# KiCad board Li-ion charger_panel.kicad_pcb (continued)
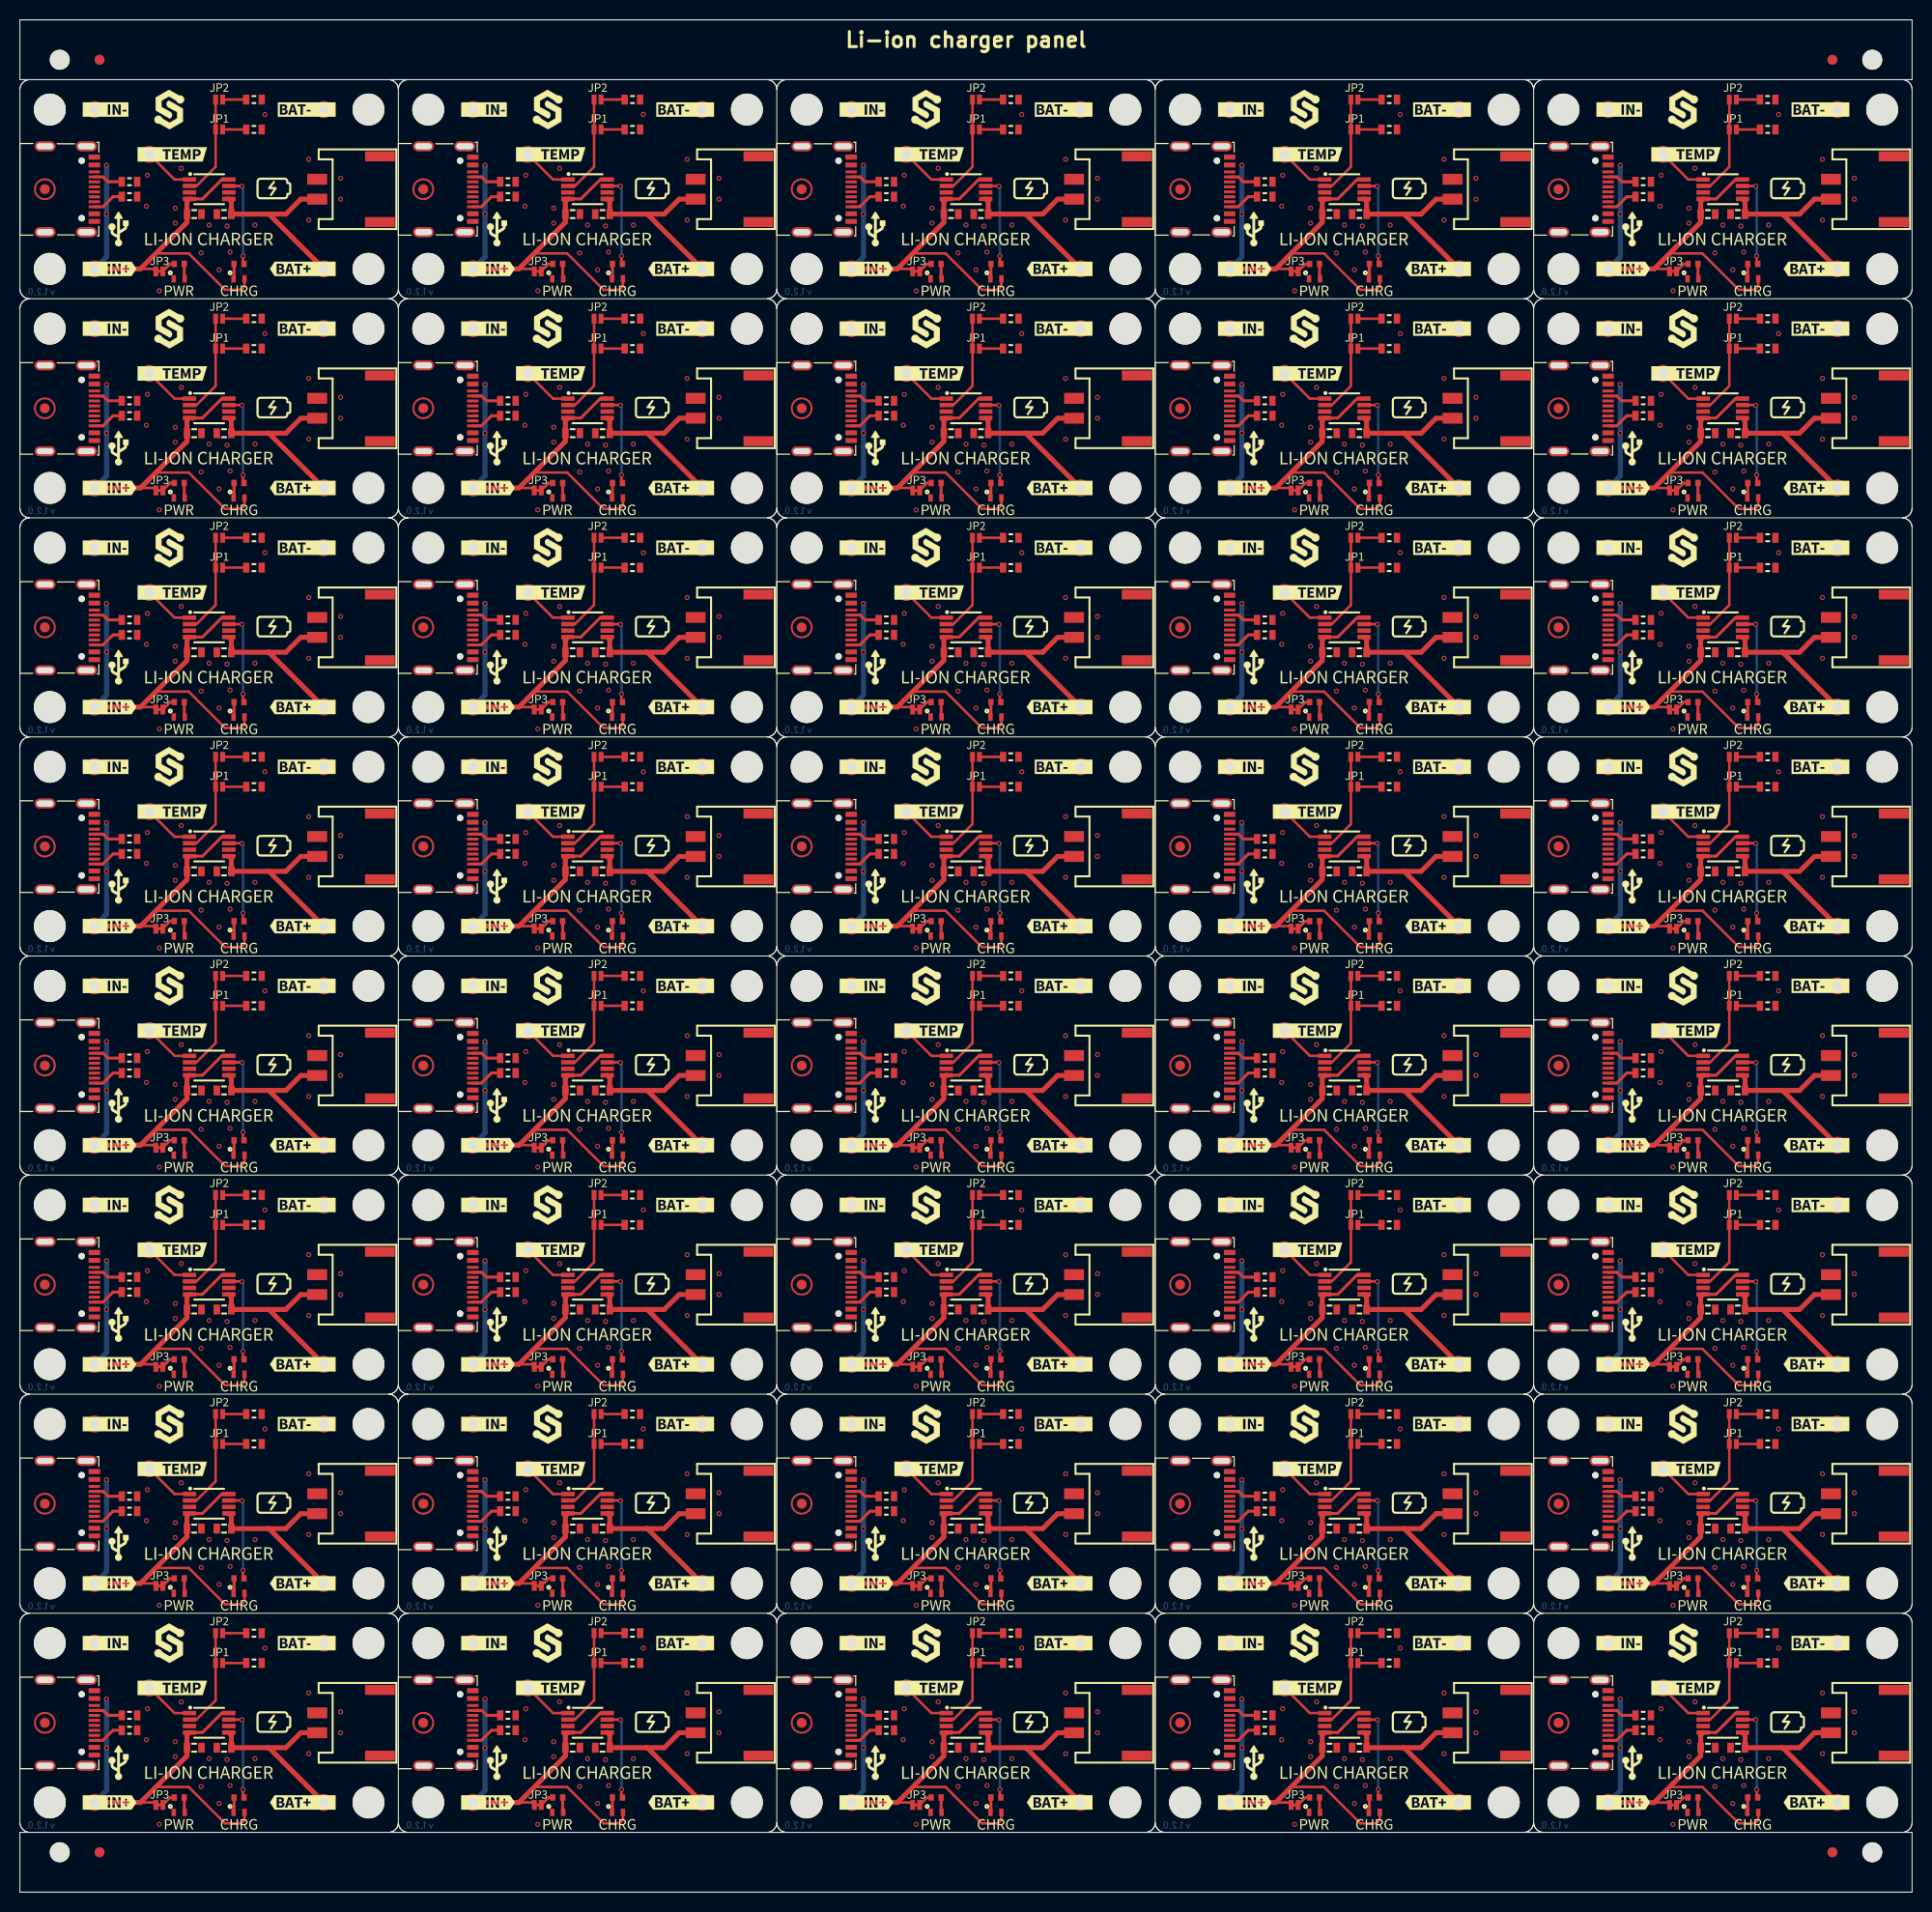
[diagram p0: board, top side]
## Placement (name value [footprint] x y rotation side) (continued)
R2#40  5.1k  [0603R]  163 149.75 0 top
R3  4.7k  [0603R]  23.5 111 180 top
R3#2  4.7k  [0603R]  137.5 67 180 top
R3#3  4.7k  [0603R]  61.5 111 180 top
R3#4  4.7k  [0603R]  137.5 89 180 top
R3#5  4.7k  [0603R]  99.5 111 180 top
R3#6  4.7k  [0603R]  61.5 133 180 top
R3#7  4.7k  [0603R]  175.5 67 180 top
R3#8  4.7k  [0603R]  99.5 67 180 top
R3#9  4.7k  [0603R]  175.5 45 180 top
R3#10  4.7k  [0603R]  23.5 67 180 top
R3#11  4.7k  [0603R]  23.5 23 180 top
R3#12  4.7k  [0603R]  137.5 155 180 top
R3#13  4.7k  [0603R]  175.5 23 180 top
R3#14  4.7k  [0603R]  99.5 133 180 top
R3#15  4.7k  [0603R]  137.5 133 180 top
R3#16  4.7k  [0603R]  99.5 23 180 top
R3#17  4.7k  [0603R]  61.5 67 180 top
R3#18  4.7k  [0603R]  23.5 177 180 top
R3#19  4.7k  [0603R]  23.5 133 180 top
R3#20  4.7k  [0603R]  99.5 45 180 top
R3#21  4.7k  [0603R]  23.5 155 180 top
R3#22  4.7k  [0603R]  61.5 177 180 top
R3#23  4.7k  [0603R]  61.5 89 180 top
R3#24  4.7k  [0603R]  61.5 155 180 top
R3#25  4.7k  [0603R]  175.5 155 180 top
R3#26  4.7k  [0603R]  61.5 23 180 top
R3#27  4.7k  [0603R]  137.5 111 180 top
R3#28  4.7k  [0603R]  99.5 89 180 top
R3#29  4.7k  [0603R]  175.5 111 180 top
R3#30  4.7k  [0603R]  99.5 155 180 top
R3#31  4.7k  [0603R]  99.5 177 180 top
R3#32  4.7k  [0603R]  23.5 89 180 top
R3#33  4.7k  [0603R]  175.5 89 180 top
R3#34  4.7k  [0603R]  175.5 133 180 top
R3#35  4.7k  [0603R]  137.5 45 180 top
R3#36  4.7k  [0603R]  23.5 45 180 top
R3#37  4.7k  [0603R]  137.5 177 180 top
R3#38  4.7k  [0603R]  175.5 177 180 top
R3#39  4.7k  [0603R]  61.5 45 180 top
R3#40  4.7k  [0603R]  137.5 23 180 top
R4  2k49  [0603R]  175.5 48 180 top
R4#2  2k49  [0603R]  137.5 70 180 top
R4#3  2k49  [0603R]  61.5 158 180 top
R4#4  2k49  [0603R]  99.5 180 180 top
R4#5  2k49  [0603R]  23.5 158 180 top
R4#6  2k49  [0603R]  137.5 114 180 top
R4#7  2k49  [0603R]  175.5 180 180 top
R4#8  2k49  [0603R]  23.5 180 180 top
R4#9  2k49  [0603R]  175.5 70 180 top
R4#10  2k49  [0603R]  175.5 136 180 top
R4#11  2k49  [0603R]  23.5 136 180 top
R4#12  2k49  [0603R]  175.5 92 180 top
R4#13  2k49  [0603R]  61.5 26 180 top
R4#14  2k49  [0603R]  61.5 136 180 top
R4#15  2k49  [0603R]  61.5 92 180 top
R4#16  2k49  [0603R]  137.5 48 180 top
R4#17  2k49  [0603R]  23.5 92 180 top
R4#18  2k49  [0603R]  137.5 26 180 top
R4#19  2k49  [0603R]  137.5 180 180 top
R4#20  2k49  [0603R]  137.5 92 180 top
R4#21  2k49  [0603R]  175.5 114 180 top
R4#22  2k49  [0603R]  137.5 136 180 top
R4#23  2k49  [0603R]  99.5 26 180 top
R4#24  2k49  [0603R]  61.5 70 180 top
R4#25  2k49  [0603R]  99.5 48 180 top
R4#26  2k49  [0603R]  23.5 70 180 top
R4#27  2k49  [0603R]  23.5 48 180 top
R4#28  2k49  [0603R]  61.5 48 180 top
R4#29  2k49  [0603R]  137.5 158 180 top
R4#30  2k49  [0603R]  175.5 158 180 top
R4#31  2k49  [0603R]  23.5 26 180 top
R4#32  2k49  [0603R]  99.5 158 180 top
R4#33  2k49  [0603R]  61.5 180 180 top
R4#34  2k49  [0603R]  23.5 114 180 top
R4#35  2k49  [0603R]  99.5 114 180 top
R4#36  2k49  [0603R]  175.5 26 180 top
R4#37  2k49  [0603R]  61.5 114 180 top
R4#38  2k49  [0603R]  99.5 136 180 top
R4#39  2k49  [0603R]  99.5 92 180 top
R4#40  2k49  [0603R]  99.5 70 180 top
R5  2k2  [0402R]  22 31.5 180 top
R5#2  2k2  [0402R]  60 97.5 180 top
R5#3  2k2  [0402R]  22 53.5 180 top
R5#4  2k2  [0402R]  136 141.5 180 top
R5#5  2k2  [0402R]  174 97.5 180 top
R5#6  2k2  [0402R]  136 119.5 180 top
R5#7  2k2  [0402R]  98 163.5 180 top
R5#8  2k2  [0402R]  174 53.5 180 top
R5#9  2k2  [0402R]  22 119.5 180 top
R5#10  2k2  [0402R]  174 9.5 180 top
R5#11  2k2  [0402R]  98 119.5 180 top
R5#12  2k2  [0402R]  60 141.5 180 top
R5#13  2k2  [0402R]  60 163.5 180 top
R5#14  2k2  [0402R]  60 53.5 180 top
R5#15  2k2  [0402R]  22 75.5 180 top
R5#16  2k2  [0402R]  174 75.5 180 top
R5#17  2k2  [0402R]  98 53.5 180 top
R5#18  2k2  [0402R]  60 119.5 180 top
R5#19  2k2  [0402R]  136 163.5 180 top
R5#20  2k2  [0402R]  174 141.5 180 top
R5#21  2k2  [0402R]  136 75.5 180 top
R5#22  2k2  [0402R]  98 97.5 180 top
R5#23  2k2  [0402R]  98 9.5 180 top
R5#24  2k2  [0402R]  98 75.5 180 top
R5#25  2k2  [0402R]  60 9.5 180 top
R5#26  2k2  [0402R]  22 9.5 180 top
R5#27  2k2  [0402R]  98 31.5 180 top
R5#28  2k2  [0402R]  60 31.5 180 top
R5#29  2k2  [0402R]  22 97.5 180 top
R5#30  2k2  [0402R]  98 141.5 180 top
R5#31  2k2  [0402R]  136 97.5 180 top
R5#32  2k2  [0402R]  136 53.5 180 top
R5#33  2k2  [0402R]  136 31.5 180 top
R5#34  2k2  [0402R]  60 75.5 180 top
R5#35  2k2  [0402R]  174 31.5 180 top
R5#36  2k2  [0402R]  174 163.5 180 top
R5#37  2k2  [0402R]  174 119.5 180 top
R5#38  2k2  [0402R]  136 9.5 180 top
R5#39  2k2  [0402R]  22 141.5 180 top
R5#40  2k2  [0402R]  22 163.5 180 top
R6  2k2  [0402R]  92 141.5 0 top
R6#2  2k2  [0402R]  16 75.5 0 top
R6#3  2k2  [0402R]  168 163.5 0 top
R6#4  2k2  [0402R]  16 163.5 0 top
R6#5  2k2  [0402R]  16 119.5 0 top
R6#6  2k2  [0402R]  54 75.5 0 top
R6#7  2k2  [0402R]  16 31.5 0 top
R6#8  2k2  [0402R]  92 31.5 0 top
R6#9  2k2  [0402R]  92 119.5 0 top
R6#10  2k2  [0402R]  130 97.5 0 top
R6#11  2k2  [0402R]  92 53.5 0 top
R6#12  2k2  [0402R]  130 163.5 0 top
R6#13  2k2  [0402R]  92 97.5 0 top
R6#14  2k2  [0402R]  54 141.5 0 top
R6#15  2k2  [0402R]  54 53.5 0 top
R6#16  2k2  [0402R]  54 9.5 0 top
R6#17  2k2  [0402R]  54 31.5 0 top
R6#18  2k2  [0402R]  16 97.5 0 top
R6#19  2k2  [0402R]  130 31.5 0 top
R6#20  2k2  [0402R]  130 75.5 0 top
R6#21  2k2  [0402R]  92 9.5 0 top
R6#22  2k2  [0402R]  92 163.5 0 top
R6#23  2k2  [0402R]  54 163.5 0 top
R6#24  2k2  [0402R]  130 53.5 0 top
R6#25  2k2  [0402R]  16 141.5 0 top
R6#26  2k2  [0402R]  168 31.5 0 top
R6#27  2k2  [0402R]  130 141.5 0 top
R6#28  2k2  [0402R]  168 97.5 0 top
R6#29  2k2  [0402R]  54 119.5 0 top
R6#30  2k2  [0402R]  92 75.5 0 top
R6#31  2k2  [0402R]  130 119.5 0 top
R6#32  2k2  [0402R]  168 141.5 0 top
R6#33  2k2  [0402R]  168 53.5 0 top
R6#34  2k2  [0402R]  16 53.5 0 top
R6#35  2k2  [0402R]  130 9.5 0 top
R6#36  2k2  [0402R]  16 9.5 0 top
R6#37  2k2  [0402R]  168 9.5 0 top
R6#38  2k2  [0402R]  168 75.5 0 top
R6#39  2k2  [0402R]  54 97.5 0 top
R6#40  2k2  [0402R]  168 119.5 0 top
REF**  Logo-Front-SolderedFULL-20mm  [Logo-Back-SolderedFULL-20mm]  171 171 0 top
REF**#2  -  [Logo-Back-UKCA-3.5mm]  171 162 0 top
REF**#3  -  [Logo-Back-CE-3.5mm]  24 74 0 top
REF**#4  Logo-Front-SolderedFULL-20mm  [Logo-Back-SolderedFULL-20mm]  95 61 0 top
REF**#5  -  [Logo-Back-CE-3.5mm]  100 118 0 top
REF**#6  Logo-Front-SolderedFULL-20mm  [Logo-Back-SolderedFULL-20mm]  57 171 0 top
REF**#7  -  [Logo-Back-UKCA-3.5mm]  133 96 0 top
REF**#8  -  [Logo-Back-UKCA-3.5mm]  57 74 0 top
REF**#9  -  [Logo-Back-UKCA-3.5mm]  95 118 0 top
REF**#10  -  [Logo-Back-UKCA-3.5mm]  57 118 0 top
REF**#11  -  [Logo-Back-CE-3.5mm]  138 52 0 top
REF**#12  -  [Logo-Back-UKCA-3.5mm]  133 140 0 top
REF**#13  Logo-Front-SolderedFULL-20mm  [Logo-Back-SolderedFULL-20mm]  171 17 0 top
REF**#14  Logo-Front-SolderedFULL-20mm  [Logo-Back-SolderedFULL-20mm]  57 39 0 top
REF**#15  -  [Logo-Back-UKCA-3.5mm]  19 30 0 top
REF**#16  Logo-Front-SolderedFULL-20mm  [Logo-Back-SolderedFULL-20mm]  19 105 0 top
REF**#17  -  [Logo-Back-CE-3.5mm]  100 8 0 top
REF**#18  -  [Logo-Back-UKCA-3.5mm]  95 74 0 top
REF**#19  -  [Logo-Back-UKCA-3.5mm]  95 8 0 top
REF**#20  -  [Logo-Back-UKCA-3.5mm]  19 162 0 top
REF**#21  -  [Logo-Back-CE-3.5mm]  62 30 0 top
REF**#22  -  [Logo-Back-CE-3.5mm]  24 8 0 top
REF**#23  -  [Logo-Back-UKCA-3.5mm]  133 118 0 top
REF**#24  -  [Logo-Back-CE-3.5mm]  138 118 0 top
REF**#25  Logo-Front-SolderedFULL-20mm  [Logo-Back-SolderedFULL-20mm]  95 105 0 top
REF**#26  -  [Logo-Back-UKCA-3.5mm]  19 8 0 top
REF**#27  Logo-Front-SolderedFULL-20mm  [Logo-Back-SolderedFULL-20mm]  171 83 0 top
REF**#28  -  [Logo-Back-CE-3.5mm]  62 74 0 top
REF**#29  Logo-Front-SolderedFULL-20mm  [Logo-Back-SolderedFULL-20mm]  133 105 0 top
REF**#30  Logo-Front-SolderedFULL-20mm  [Logo-Back-SolderedFULL-20mm]  57 127 0 top
REF**#31  -  [Logo-Back-CE-3.5mm]  62 8 0 top
REF**#32  -  [Logo-Back-UKCA-3.5mm]  95 162 0 top
REF**#33  -  [Logo-Back-UKCA-3.5mm]  171 30 0 top
REF**#34  -  [Logo-Back-CE-3.5mm]  138 140 0 top
REF**#35  -  [Logo-Back-CE-3.5mm]  138 96 0 top
REF**#36  -  [Logo-Back-CE-3.5mm]  176 118 0 top
REF**#37  -  [Logo-Back-CE-3.5mm]  24 96 0 top
REF**#38  -  [Fiducial]  182 184 0 top
REF**#39  Logo-Front-SolderedFULL-20mm  [Logo-Back-SolderedFULL-20mm]  133 61 0 top
REF**#40  -  [Logo-Back-UKCA-3.5mm]  19 52 0 top
REF**#41  -  [Logo-Back-UKCA-3.5mm]  95 96 0 top
REF**#42  Logo-Front-SolderedFULL-20mm  [Logo-Back-SolderedFULL-20mm]  171 149 0 top
REF**#43  -  [Logo-Back-UKCA-3.5mm]  171 74 0 top
REF**#44  -  [Logo-Back-UKCA-3.5mm]  171 118 0 top
REF**#45  Logo-Front-SolderedFULL-20mm  [Logo-Back-SolderedFULL-20mm]  133 171 0 top
REF**#46  -  [Logo-Back-UKCA-3.5mm]  133 8 0 top
REF**#47  -  [Logo-Back-UKCA-3.5mm]  57 52 0 top
REF**#48  -  [Logo-Back-UKCA-3.5mm]  171 96 0 top
REF**#49  -  [NPTH]  186 184 0 top
REF**#50  -  [Logo-Back-UKCA-3.5mm]  19 74 0 top
REF**#51  Logo-Front-SolderedFULL-20mm  [Logo-Back-SolderedFULL-20mm]  133 83 0 top
REF**#52  Logo-Front-SolderedFULL-20mm  [Logo-Back-SolderedFULL-20mm]  171 61 0 top
REF**#53  Logo-Front-SolderedFULL-20mm  [Logo-Back-SolderedFULL-20mm]  57 83 0 top
REF**#54  -  [Logo-Back-UKCA-3.5mm]  133 52 0 top
REF**#55  -  [Logo-Back-UKCA-3.5mm]  57 8 0 top
REF**#56  Logo-Front-SolderedFULL-20mm  [Logo-Back-SolderedFULL-20mm]  57 61 0 top
REF**#57  -  [Logo-Back-CE-3.5mm]  100 140 0 top
REF**#58  -  [Logo-Back-UKCA-3.5mm]  171 52 0 top
REF**#59  -  [Logo-Back-CE-3.5mm]  62 52 0 top
REF**#60  -  [Logo-Back-UKCA-3.5mm]  95 140 0 top
REF**#61  -  [Logo-Back-CE-3.5mm]  62 162 0 top
REF**#62  -  [NPTH]  186 4 0 top
REF**#63  Logo-Front-SolderedFULL-20mm  [Logo-Back-SolderedFULL-20mm]  19 149 0 top
REF**#64  -  [Fiducial]  182 4 0 top
REF**#65  Logo-Front-SolderedFULL-20mm  [Logo-Back-SolderedFULL-20mm]  133 149 0 top
REF**#66  -  [Logo-Back-UKCA-3.5mm]  95 30 0 top
REF**#67  -  [Logo-Back-CE-3.5mm]  62 96 0 top
REF**#68  -  [Logo-Back-UKCA-3.5mm]  133 74 0 top
REF**#69  -  [Logo-Back-UKCA-3.5mm]  95 52 0 top
REF**#70  Logo-Front-SolderedFULL-20mm  [Logo-Back-SolderedFULL-20mm]  133 39 0 top
REF**#71  -  [Fiducial]  8 184 0 top
REF**#72  Logo-Front-SolderedFULL-20mm  [Logo-Back-SolderedFULL-20mm]  95 171 0 top
REF**#73  -  [Logo-Back-CE-3.5mm]  138 74 0 top
REF**#74  Logo-Front-SolderedFULL-20mm  [Logo-Back-SolderedFULL-20mm]  171 105 0 top
REF**#75  Logo-Front-SolderedFULL-20mm  [Logo-Back-SolderedFULL-20mm]  95 39 0 top
REF**#76  -  [NPTH]  4 184 0 top
REF**#77  -  [Logo-Back-CE-3.5mm]  62 118 0 top
REF**#78  Logo-Front-SolderedFULL-20mm  [Logo-Back-SolderedFULL-20mm]  95 83 0 top
REF**#79  Logo-Front-SolderedFULL-20mm  [Logo-Back-SolderedFULL-20mm]  95 149 0 top
REF**#80  Logo-Front-SolderedFULL-20mm  [Logo-Back-SolderedFULL-20mm]  19 171 0 top
REF**#81  -  [Logo-Back-UKCA-3.5mm]  19 140 0 top
REF**#82  -  [Logo-Back-UKCA-3.5mm]  19 96 0 top
REF**#83  -  [Logo-Back-CE-3.5mm]  138 30 0 top
REF**#84  -  [Logo-Back-CE-3.5mm]  62 140 0 top
REF**#85  -  [Logo-Back-CE-3.5mm]  100 96 0 top
REF**#86  Logo-Front-SolderedFULL-20mm  [Logo-Back-SolderedFULL-20mm]  95 127 0 top
REF**#87  Logo-Front-SolderedFULL-20mm  [Logo-Back-SolderedFULL-20mm]  19 39 0 top
REF**#88  -  [Logo-Back-CE-3.5mm]  176 74 0 top
REF**#89  Logo-Front-SolderedFULL-20mm  [Logo-Back-SolderedFULL-20mm]  19 61 0 top
REF**#90  -  [Logo-Back-UKCA-3.5mm]  57 140 0 top
REF**#91  -  [Logo-Back-CE-3.5mm]  24 140 0 top
REF**#92  -  [Logo-Back-UKCA-3.5mm]  133 30 0 top
REF**#93  -  [Logo-Back-CE-3.5mm]  176 140 0 top
REF**#94  -  [NPTH]  4 4 0 top
REF**#95  Logo-Front-SolderedFULL-20mm  [Logo-Back-SolderedFULL-20mm]  19 83 0 top
REF**#96  Logo-Front-SolderedFULL-20mm  [Logo-Back-SolderedFULL-20mm]  133 17 0 top
REF**#97  -  [Logo-Back-CE-3.5mm]  138 8 0 top
REF**#98  -  [Logo-Back-CE-3.5mm]  24 30 0 top
REF**#99  -  [Fiducial]  8 4 0 top
REF**#100  -  [Logo-Back-UKCA-3.5mm]  57 30 0 top
REF**#101  Logo-Front-SolderedFULL-20mm  [Logo-Back-SolderedFULL-20mm]  171 127 0 top
REF**#102  -  [Logo-Back-UKCA-3.5mm]  133 162 0 top
REF**#103  Logo-Front-SolderedFULL-20mm  [Logo-Back-SolderedFULL-20mm]  95 17 0 top
REF**#104  -  [Logo-Back-CE-3.5mm]  24 162 0 top
REF**#105  -  [Logo-Back-CE-3.5mm]  176 162 0 top
REF**#106  Logo-Front-SolderedFULL-20mm  [Logo-Back-SolderedFULL-20mm]  133 127 0 top
REF**#107  Logo-Front-SolderedFULL-20mm  [Logo-Back-SolderedFULL-20mm]  57 17 0 top
REF**#108  -  [Logo-Back-CE-3.5mm]  176 52 0 top
REF**#109  -  [Logo-Back-CE-3.5mm]  24 118 0 top
REF**#110  Logo-Front-SolderedFULL-20mm  [Logo-Back-SolderedFULL-20mm]  171 39 0 top
REF**#111  -  [Logo-Back-CE-3.5mm]  138 162 0 top
REF**#112  -  [Logo-Back-UKCA-3.5mm]  171 8 0 top
REF**#113  -  [Logo-Back-CE-3.5mm]  24 52 0 top
REF**#114  -  [Logo-Back-CE-3.5mm]  100 30 0 top
REF**#115  -  [Logo-Back-CE-3.5mm]  176 30 0 top
REF**#116  -  [Logo-Back-UKCA-3.5mm]  57 96 0 top
REF**#117  Logo-Front-SolderedFULL-20mm  [Logo-Back-SolderedFULL-20mm]  57 105 0 top
REF**#118  -  [Logo-Back-CE-3.5mm]  100 52 0 top
REF**#119  Logo-Front-SolderedFULL-20mm  [Logo-Back-SolderedFULL-20mm]  19 17 0 top
REF**#120  -  [Logo-Back-CE-3.5mm]  100 74 0 top
REF**#121  -  [Logo-Back-UKCA-3.5mm]  19 118 0 top
REF**#122  Logo-Front-SolderedFULL-20mm  [Logo-Back-SolderedFULL-20mm]  19 127 0 top
REF**#123  -  [Logo-Back-CE-3.5mm]  100 162 0 top
REF**#124  -  [Logo-Back-CE-3.5mm]  176 96 0 top
REF**#125  Logo-Front-SolderedFULL-20mm  [Logo-Back-SolderedFULL-20mm]  57 149 0 top
REF**#126  -  [Logo-Back-UKCA-3.5mm]  57 162 0 top
REF**#127  -  [Logo-Back-CE-3.5mm]  176 8 0 top
REF**#128  -  [Logo-Back-UKCA-3.5mm]  171 140 0 top
REF**#129  -  [Version1.2.0]  78 6.7 180 bottom
REF**#130  -  [Version1.2.0]  78 28.7 180 bottom
REF**#131  -  [Version1.2.0]  116 160.7 180 bottom
REF**#132  -  [Version1.2.0]  78 50.7 180 bottom
REF**#133  -  [Fiducial]  8 4 0 bottom
REF**#134  -  [Version1.2.0]  116 116.7 180 bottom
REF**#135  -  [Version1.2.0]  2 138.7 180 bottom
REF**#136  -  [Version1.2.0]  78 116.7 180 bottom
REF**#137  -  [Fiducial]  182 184 0 bottom
REF**#138  -  [Version1.2.0]  40 6.7 180 bottom
REF**#139  -  [Version1.2.0]  154 116.7 180 bottom
REF**#140  -  [Version1.2.0]  40 116.7 180 bottom
REF**#141  -  [Version1.2.0]  78 160.7 180 bottom
REF**#142  -  [Version1.2.0]  2 160.7 180 bottom
REF**#143  -  [Version1.2.0]  2 6.7 180 bottom
REF**#144  -  [Version1.2.0]  40 138.7 180 bottom
REF**#145  -  [Version1.2.0]  154 72.7 180 bottom
REF**#146  -  [Version1.2.0]  116 28.7 180 bottom
REF**#147  -  [Version1.2.0]  40 94.7 180 bottom
REF**#148  -  [Version1.2.0]  154 50.7 180 bottom
REF**#149  -  [Version1.2.0]  2 50.7 180 bottom
REF**#150  -  [Version1.2.0]  40 72.7 180 bottom
REF**#151  -  [Version1.2.0]  78 94.7 180 bottom
REF**#152  -  [Version1.2.0]  78 138.7 180 bottom
REF**#153  -  [Version1.2.0]  154 28.7 180 bottom
REF**#154  -  [Version1.2.0]  154 94.7 180 bottom
REF**#155  -  [Version1.2.0]  154 160.7 180 bottom
REF**#156  -  [Version1.2.0]  116 50.7 180 bottom
REF**#157  -  [Version1.2.0]  2 116.7 180 bottom
REF**#158  -  [Fiducial]  182 4 0 bottom
REF**#159  -  [Fiducial]  8 184 0 bottom
REF**#160  -  [Version1.2.0]  116 138.7 180 bottom
REF**#161  -  [Version1.2.0]  116 72.7 180 bottom
REF**#162  -  [Version1.2.0]  2 28.7 180 bottom
REF**#163  -  [Version1.2.0]  154 138.7 180 bottom
REF**#164  -  [Version1.2.0]  116 94.7 180 bottom
REF**#165  -  [Version1.2.0]  40 50.7 180 bottom
REF**#166  -  [Version1.2.0]  2 94.7 180 bottom
REF**#167  -  [Version1.2.0]  78 72.7 180 bottom
REF**#168  -  [Version1.2.0]  40 28.7 180 bottom
REF**#169  -  [Version1.2.0]  40 160.7 180 bottom
REF**#170  -  [Version1.2.0]  116 6.7 180 bottom
REF**#171  -  [Version1.2.0]  2 72.7 180 bottom
REF**#172  -  [Version1.2.0]  154 6.7 180 bottom
U1  TP4056M  [TP4056M-MSOP8]  19 61 0 top
U1#2  TP4056M  [TP4056M-MSOP8]  171 83 0 top
U1#3  TP4056M  [TP4056M-MSOP8]  95 127 0 top
U1#4  TP4056M  [TP4056M-MSOP8]  57 17 0 top
U1#5  TP4056M  [TP4056M-MSOP8]  57 127 0 top
U1#6  TP4056M  [TP4056M-MSOP8]  133 149 0 top
U1#7  TP4056M  [TP4056M-MSOP8]  133 61 0 top
U1#8  TP4056M  [TP4056M-MSOP8]  19 83 0 top
U1#9  TP4056M  [TP4056M-MSOP8]  171 171 0 top
U1#10  TP4056M  [TP4056M-MSOP8]  95 61 0 top
U1#11  TP4056M  [TP4056M-MSOP8]  19 17 0 top
U1#12  TP4056M  [TP4056M-MSOP8]  57 39 0 top
U1#13  TP4056M  [TP4056M-MSOP8]  19 105 0 top
U1#14  TP4056M  [TP4056M-MSOP8]  19 149 0 top
U1#15  TP4056M  [TP4056M-MSOP8]  19 39 0 top
U1#16  TP4056M  [TP4056M-MSOP8]  19 127 0 top
U1#17  TP4056M  [TP4056M-MSOP8]  95 105 0 top
U1#18  TP4056M  [TP4056M-MSOP8]  133 83 0 top
U1#19  TP4056M  [TP4056M-MSOP8]  95 171 0 top
U1#20  TP4056M  [TP4056M-MSOP8]  95 39 0 top
U1#21  TP4056M  [TP4056M-MSOP8]  57 171 0 top
U1#22  TP4056M  [TP4056M-MSOP8]  171 61 0 top
U1#23  TP4056M  [TP4056M-MSOP8]  171 127 0 top
U1#24  TP4056M  [TP4056M-MSOP8]  57 149 0 top
U1#25  TP4056M  [TP4056M-MSOP8]  133 17 0 top
U1#26  TP4056M  [TP4056M-MSOP8]  171 105 0 top
U1#27  TP4056M  [TP4056M-MSOP8]  19 171 0 top
U1#28  TP4056M  [TP4056M-MSOP8]  57 83 0 top
U1#29  TP4056M  [TP4056M-MSOP8]  95 83 0 top
U1#30  TP4056M  [TP4056M-MSOP8]  133 171 0 top
U1#31  TP4056M  [TP4056M-MSOP8]  171 149 0 top
U1#32  TP4056M  [TP4056M-MSOP8]  133 127 0 top
U1#33  TP4056M  [TP4056M-MSOP8]  95 149 0 top
U1#34  TP4056M  [TP4056M-MSOP8]  57 105 0 top
U1#35  TP4056M  [TP4056M-MSOP8]  95 17 0 top
U1#36  TP4056M  [TP4056M-MSOP8]  171 17 0 top
U1#37  TP4056M  [TP4056M-MSOP8]  171 39 0 top
U1#38  TP4056M  [TP4056M-MSOP8]  133 39 0 top
U1#39  TP4056M  [TP4056M-MSOP8]  133 105 0 top
U1#40  TP4056M  [TP4056M-MSOP8]  57 61 0 top

## Footprints (pads in the part's own frame, mm; a bottom-side part is the same pattern mirrored in y, then rotated)
0402LED
  rect 0.45x0.75 smd: 1(-0.55,0) 2(0.55,0)
0402R
  rect 0.54x0.64 smd: 1(-0.5,0) 2(0.5,0)
0603C
  rect 0.66x1 smd: 1(-0.73,0) 2(0.73,0)
0603R
  rect 0.64x1 smd: 1(-0.775,0) 2(0.775,0)
Fiducial
  round 1 smd: (0,0)
FIDUCIAL_23
  round 1 smd: 1(0,0)
HEADER_MALE_1X1
  round 1.7 hole 1: 1(0,0)
HOLE_3.2mm
  round 3.2 hole 3.2 unplated: (0,0)
JST-2pin-SMD
  rect 1x3 smd: (-3.3,3.15) (3.3,3.15)
  rect 1.1x2 smd: 1(1,-3.15) 2(-1,-3.15)
NPTH
  round 2 hole 2 unplated: (0,0)
SMD-JUMPER-CONNECTED_TRACE_SLODERMASK
  rect 0.5x1 smd: 1(-0.35,0) 2(0.35,0)
SMD_JUMPER
  rect 0.5x1 smd: 1(-0.35,0) 2(0.35,0)
SMD_JUMPER_CONNECTED
  rect 0.5x1 smd: 1(-0.35,0) 2(0.35,0)
TP4056M-MSOP8
  rect 1.35x0.45 smd: 1(-1.975,0.975) 2(-1.975,0.325) 3(-1.975,-0.325) 4(-1.975,-0.975) 5(1.975,-0.975) 6(1.975,-0.325) 7(1.975,0.325) 8(1.975,0.975)
U262-161N-4BVC11
  round 0.65 hole 0.65 unplated: (-2.913,-3.2) (2.862,-3.2)
  rect 0.3x1.15 smd: A1(3.337,-4.475) A4(2.537,-4.475) A5(1.237,-4.475) A6(0.237,-4.475) A7(-0.263,-4.475) A8(-1.263,-4.475) A9(-2.563,-4.475) A12(-3.338,-4.475) B1(-3.138,-4.475) B4(-2.363,-4.475) B5(-1.763,-4.475) B6(-0.763,-4.475) B7(0.737,-4.475) B8(1.737,-4.475) B9(2.337,-4.475) B12(3.112,-4.475)
  oval 1x2.1 hole 0.6x1.7: SH(-4.313,0.475) SH(-4.313,-3.675) SH(4.312,0.475) SH(4.312,-3.675)

## Nets
Board_0-GND: C1#16.1 C2#25.1 D2#13.2 K1#7.A1 K1#7.A12 K1#7.B1 K1#7.B12 K1#7.SH K3#34.1 K6#37.1 K7#7.2 R1#17.2 R2#27.2 R3#18.1 R4#8.1 U1#27.3
Board_0-Net-(D1-Pad2): D1#11.2 R5#40.2
Board_0-Net-(D2-Pad1): D2#13.1 R6#4.2
Board_0-Net-(JP1-Pad1): JP1#18.1 R3#18.2
Board_0-Net-(JP2-Pad1): JP2#11.1 R4#8.2
Board_0-Net-(JP3-Pad2): JP3#16.2 R6#4.1
Board_0-Net-(K1-PadA5): K1#7.A5 R2#27.1
Board_0-Net-(K1-PadB5): K1#7.B5 R1#17.1
Board_0-Net-(R5-Pad1): R5#40.1 U1#27.7
Board_0-PROG: JP1#18.2 JP2#11.2 U1#27.2
Board_0-TEMP: K4#33.1 U1#27.1
Board_0-unconnected-(K1-PadA6): K1#7.A6
Board_0-unconnected-(K1-PadA7): K1#7.A7
Board_0-unconnected-(K1-PadA8): K1#7.A8
Board_0-unconnected-(K1-PadB6): K1#7.B6
Board_0-unconnected-(K1-PadB7): K1#7.B7
Board_0-unconnected-(K1-PadB8): K1#7.B8
Board_0-unconnected-(U1-Pad6): U1#27.6
Board_0-VBAT: C2#25.2 K5#5.1 K7#7.1 U1#27.5
Board_0-VUSB: C1#16.2 D1#11.1 JP3#16.1 K1#7.A4 K1#7.A9 K1#7.B4 K1#7.B9 K2#22.1 U1#27.4 U1#27.8
Board_1-GND: C1#7.1 C2#29.1 D2#34.2 K1#24.A1 K1#24.A12 K1#24.B1 K1#24.B12 K1#24.SH K3#27.1 K6#31.1 K7#22.2 R1#33.2 R2#36.2 R3#22.1 R4#33.1 U1#21.3
Board_1-Net-(D1-Pad2): D1#25.2 R5#13.2
Board_1-Net-(D2-Pad1): D2#34.1 R6#23.2
Board_1-Net-(JP1-Pad1): JP1#22.1 R3#22.2
Board_1-Net-(JP2-Pad1): JP2#18.1 R4#33.2
Board_1-Net-(JP3-Pad2): JP3#23.2 R6#23.1
Board_1-Net-(K1-PadA5): K1#24.A5 R2#36.1
Board_1-Net-(K1-PadB5): K1#24.B5 R1#33.1
Board_1-Net-(R5-Pad1): R5#13.1 U1#21.7
Board_1-PROG: JP1#22.2 JP2#18.2 U1#21.2
Board_1-TEMP: K4#10.1 U1#21.1
Board_1-unconnected-(K1-PadA6): K1#24.A6
Board_1-unconnected-(K1-PadA7): K1#24.A7
Board_1-unconnected-(K1-PadA8): K1#24.A8
Board_1-unconnected-(K1-PadB6): K1#24.B6
Board_1-unconnected-(K1-PadB7): K1#24.B7
Board_1-unconnected-(K1-PadB8): K1#24.B8
Board_1-unconnected-(U1-Pad6): U1#21.6
Board_1-VBAT: C2#29.2 K5#10.1 K7#22.1 U1#21.5
Board_1-VUSB: C1#7.2 D1#25.1 JP3#23.1 K1#24.A4 K1#24.A9 K1#24.B4 K1#24.B9 K2#13.1 U1#21.4 U1#21.8
Board_2-GND: C1#38.1 C2#26.1 D2#20.2 K1#3.A1 K1#3.A12 K1#3.B1 K1#3.B12 K1#3.SH K3#26.1 K6.1 K7#40.2 R1.2 R2#4.2 R3#31.1 R4#4.1 U1#19.3
Board_2-Net-(D1-Pad2): D1#16.2 R5#7.2
Board_2-Net-(D2-Pad1): D2#20.1 R6#22.2
Board_2-Net-(JP1-Pad1): JP1#30.1 R3#31.2
Board_2-Net-(JP2-Pad1): JP2#26.1 R4#4.2
Board_2-Net-(JP3-Pad2): JP3#6.2 R6#22.1
Board_2-Net-(K1-PadA5): K1#3.A5 R2#4.1
Board_2-Net-(K1-PadB5): K1#3.B5 R1.1
Board_2-Net-(R5-Pad1): R5#7.1 U1#19.7
Board_2-PROG: JP1#30.2 JP2#26.2 U1#19.2
Board_2-TEMP: K4#19.1 U1#19.1
Board_2-unconnected-(K1-PadA6): K1#3.A6
Board_2-unconnected-(K1-PadA7): K1#3.A7
Board_2-unconnected-(K1-PadA8): K1#3.A8
Board_2-unconnected-(K1-PadB6): K1#3.B6
Board_2-unconnected-(K1-PadB7): K1#3.B7
Board_2-unconnected-(K1-PadB8): K1#3.B8
Board_2-unconnected-(U1-Pad6): U1#19.6
Board_2-VBAT: C2#26.2 K5#40.1 K7#40.1 U1#19.5
Board_2-VUSB: C1#38.2 D1#16.1 JP3#6.1 K1#3.A4 K1#3.A9 K1#3.B4 K1#3.B9 K2#15.1 U1#19.4 U1#19.8
Board_3-GND: C1#20.1 C2#32.1 D2#37.2 K1#2.A1 K1#2.A12 K1#2.B1 K1#2.B12 K1#2.SH K3#12.1 K6#8.1 K7.2 R1#19.2 R2#6.2 R3#37.1 R4#19.1 U1#30.3
Board_3-Net-(D1-Pad2): D1#3.2 R5#19.2
Board_3-Net-(D2-Pad1): D2#37.1 R6#12.2
Board_3-Net-(JP1-Pad1): JP1#25.1 R3#37.2
Board_3-Net-(JP2-Pad1): JP2#22.1 R4#19.2
Board_3-Net-(JP3-Pad2): JP3#17.2 R6#12.1
Board_3-Net-(K1-PadA5): K1#2.A5 R2#6.1
Board_3-Net-(K1-PadB5): K1#2.B5 R1#19.1
Board_3-Net-(R5-Pad1): R5#19.1 U1#30.7
Board_3-PROG: JP1#25.2 JP2#22.2 U1#30.2
Board_3-TEMP: K4#34.1 U1#30.1
Board_3-unconnected-(K1-PadA6): K1#2.A6
Board_3-unconnected-(K1-PadA7): K1#2.A7
Board_3-unconnected-(K1-PadA8): K1#2.A8
Board_3-unconnected-(K1-PadB6): K1#2.B6
Board_3-unconnected-(K1-PadB7): K1#2.B7
Board_3-unconnected-(K1-PadB8): K1#2.B8
Board_3-unconnected-(U1-Pad6): U1#30.6
Board_3-VBAT: C2#32.2 K5#4.1 K7.1 U1#30.5
Board_3-VUSB: C1#20.2 D1#3.1 JP3#17.1 K1#2.A4 K1#2.A9 K1#2.B4 K1#2.B9 K2#3.1 U1#30.4 U1#30.8
Board_4-GND: C1.1 C2#27.1 D2#30.2 K1#22.A1 K1#22.A12 K1#22.B1 K1#22.B12 K1#22.SH K3#40.1 K6#34.1 K7#11.2 R1#23.2 R2#7.2 R3#38.1 R4#7.1 U1#9.3
Board_4-Net-(D1-Pad2): D1#37.2 R5#36.2
Board_4-Net-(D2-Pad1): D2#30.1 R6#3.2
Board_4-Net-(JP1-Pad1): JP1#23.1 R3#38.2
Board_4-Net-(JP2-Pad1): JP2#40.1 R4#7.2
Board_4-Net-(JP3-Pad2): JP3#29.2 R6#3.1
Board_4-Net-(K1-PadA5): K1#22.A5 R2#7.1
Board_4-Net-(K1-PadB5): K1#22.B5 R1#23.1
Board_4-Net-(R5-Pad1): R5#36.1 U1#9.7
Board_4-PROG: JP1#23.2 JP2#40.2 U1#9.2
Board_4-TEMP: K4#8.1 U1#9.1
Board_4-unconnected-(K1-PadA6): K1#22.A6
Board_4-unconnected-(K1-PadA7): K1#22.A7
Board_4-unconnected-(K1-PadA8): K1#22.A8
Board_4-unconnected-(K1-PadB6): K1#22.B6
Board_4-unconnected-(K1-PadB7): K1#22.B7
Board_4-unconnected-(K1-PadB8): K1#22.B8
Board_4-unconnected-(U1-Pad6): U1#9.6
Board_4-VBAT: C2#27.2 K5.1 K7#11.1 U1#9.5
Board_4-VUSB: C1.2 D1#37.1 JP3#29.1 K1#22.A4 K1#22.A9 K1#22.B4 K1#22.B9 K2#39.1 U1#9.4 U1#9.8
Board_5-GND: C1#13.1 C2#24.1 D2#31.2 K1#27.A1 K1#27.A12 K1#27.B1 K1#27.B12 K1#27.SH K3#30.1 K6#19.1 K7#36.2 R1#20.2 R2#23.2 R3#21.1 R4#5.1 U1#14.3
Board_5-Net-(D1-Pad2): D1#39.2 R5#39.2
Board_5-Net-(D2-Pad1): D2#31.1 R6#25.2
Board_5-Net-(JP1-Pad1): JP1#37.1 R3#21.2
Board_5-Net-(JP2-Pad1): JP2#32.1 R4#5.2
Board_5-Net-(JP3-Pad2): JP3#25.2 R6#25.1
Board_5-Net-(K1-PadA5): K1#27.A5 R2#23.1
Board_5-Net-(K1-PadB5): K1#27.B5 R1#20.1
Board_5-Net-(R5-Pad1): R5#39.1 U1#14.7
Board_5-PROG: JP1#37.2 JP2#32.2 U1#14.2
Board_5-TEMP: K4#32.1 U1#14.1
Board_5-unconnected-(K1-PadA6): K1#27.A6
Board_5-unconnected-(K1-PadA7): K1#27.A7
Board_5-unconnected-(K1-PadA8): K1#27.A8
Board_5-unconnected-(K1-PadB6): K1#27.B6
Board_5-unconnected-(K1-PadB7): K1#27.B7
Board_5-unconnected-(K1-PadB8): K1#27.B8
Board_5-unconnected-(U1-Pad6): U1#14.6
Board_5-VBAT: C2#24.2 K5#31.1 K7#36.1 U1#14.5
Board_5-VUSB: C1#13.2 D1#39.1 JP3#25.1 K1#27.A4 K1#27.A9 K1#27.B4 K1#27.B9 K2#27.1 U1#14.4 U1#14.8
Board_6-GND: C1#5.1 C2#28.1 D2#11.2 K1#4.A1 K1#4.A12 K1#4.B1 K1#4.B12 K1#4.SH K3#19.1 K6#10.1 K7#4.2 R1#25.2 R2#14.2 R3#24.1 R4#3.1 U1#24.3
Board_6-Net-(D1-Pad2): D1#28.2 R5#12.2
Board_6-Net-(D2-Pad1): D2#11.1 R6#14.2
Board_6-Net-(JP1-Pad1): JP1#28.1 R3#24.2
